# Altium PCB braslet_pcb.PcbDoc
Units mm, origin at the board's own origin, x right, y up, seen from the top; angles counter-clockwise.
Board outline 38.35 x 17.27 mm, 2 copper layers (Top Layer, Bottom Layer), stack 0.991 mm thick; 38 components, 37 nets, 206 pads, 17 vias.
Unrouted connection lines stored in the file: 97.
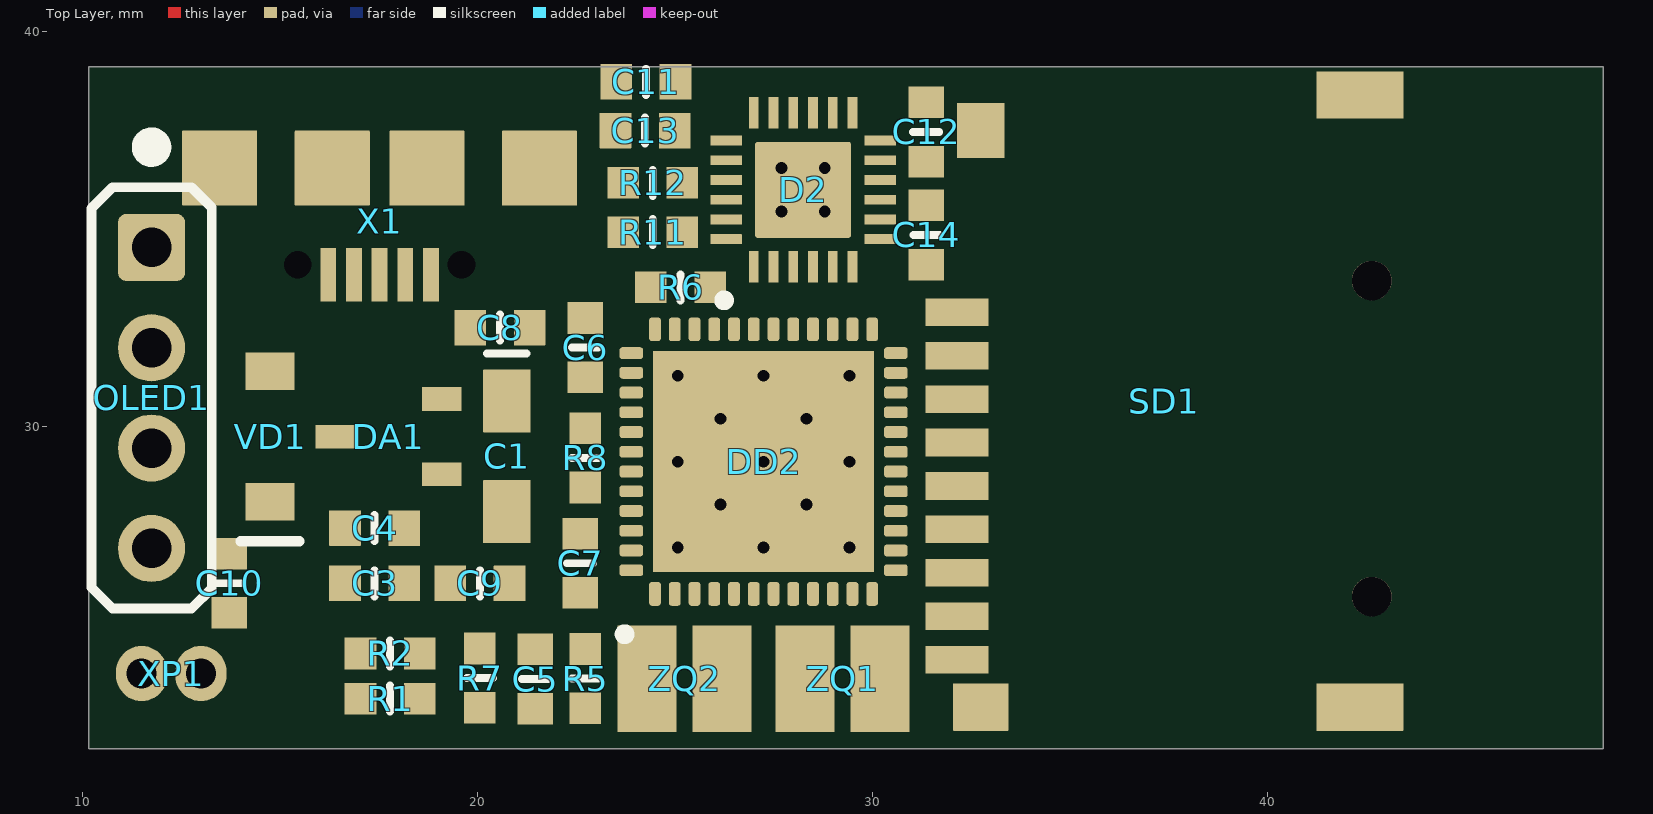
[diagram p0: Top Layer view]
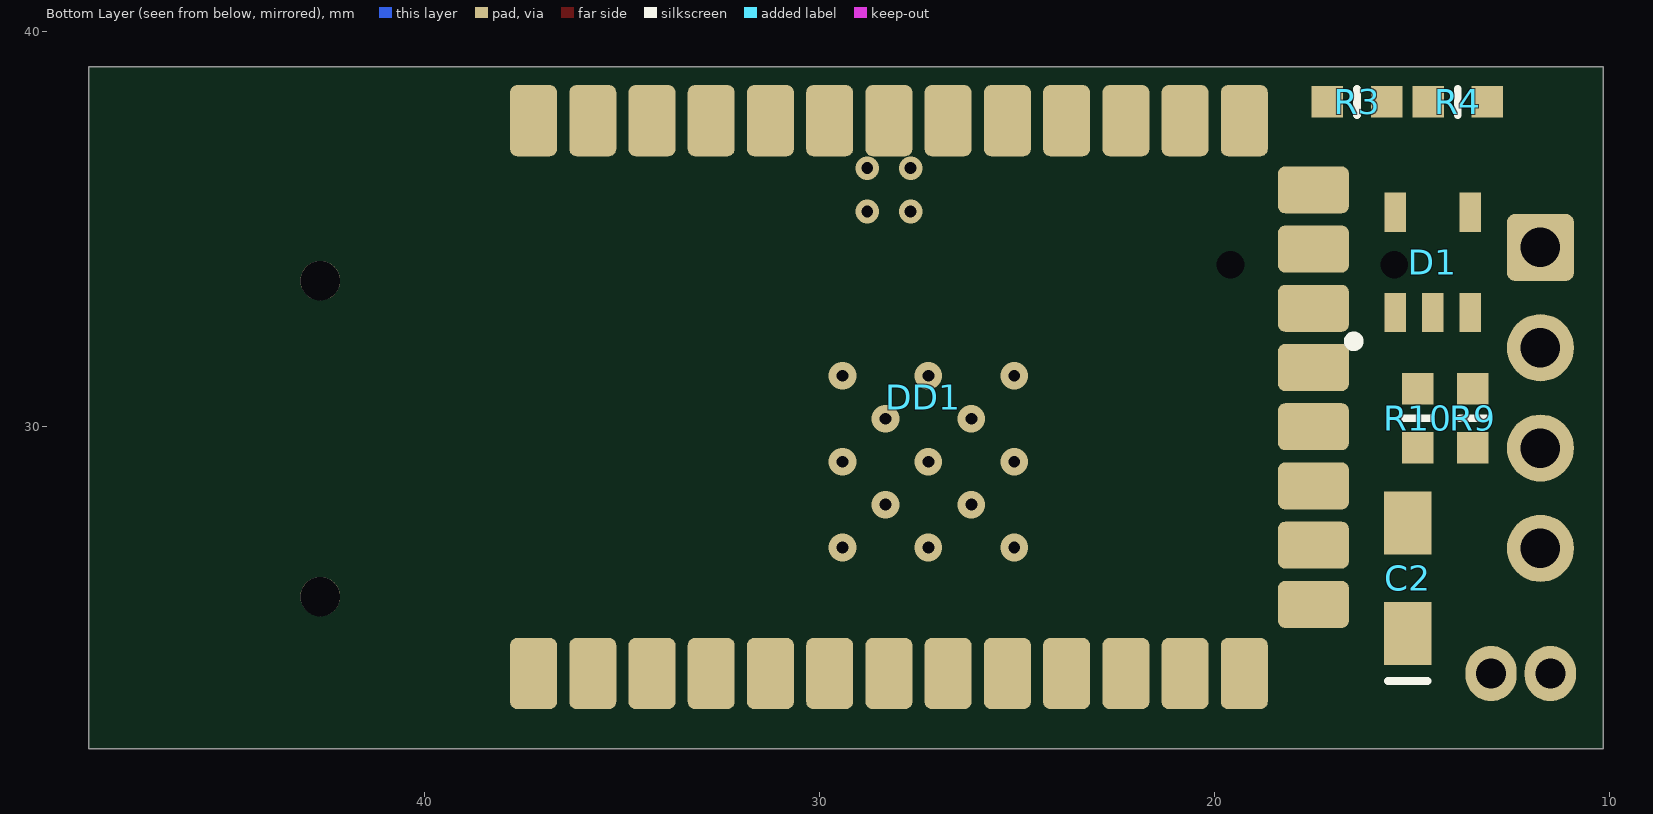
[diagram p1: Bottom Layer view, seen from below]

## Layer stack, top to bottom
Top Solder: solder mask 0.0102, Solder Resist, Dk 3.5
Top Layer: signal copper 0.0356
Dielectric 1: dielectric 0.92, FR-4, Dk 4.8
Bottom Layer: signal copper 0.0356
Bottom Solder: solder mask 0.0102, Solder Resist, Dk 3.5

## Board outline
10.16,21.844 10.16,39.116 48.514,39.116 48.514,21.844

## Design rules (kind name [scope] priority, off if disabled: settings)
Clearance [All] p1: gap=0.2 ignorepadtopadclearanceinfootprint=FALSE except(0: SMDPad-Hole THPad-Hole Via-Hole Fill-Hole Poly-Hole Region-Hole Text-Hole)
HoleSize [All] p1: absolutevalues=TRUE maxlimit=4 minlimit=0.3 maxpercent=80.000 minpercent=20.000
MinimumSolderMaskSliver [All] p1: minsoldermaskwidth=0.1
PasteMaskExpansion [All] p1: expansion=-0.05
PolygonConnect PolygonConnect_1 [IsVia] p1: connectstyle=Direct reliefconductorwidth=0.254 reliefentries=4 polygonreliefangle="90 Angle" airgapwidth=0.254
PolygonConnect [All] p2: connectstyle=Relief reliefconductorwidth=0.254 reliefentries=4 polygonreliefangle="90 Angle" airgapwidth=0.254
RoutingVias [All] p1: holewidth=0.5 width=1 viastyle="Through Hole" minholewidth=0.3 minwidth=0.7 maxholewidth=2 maxwidth=2.8
SilkToSilkClearance [All] p1: silktosilkclearance=0.2
SilkToSolderMaskClearance [IsPad] p1: minsilkscreentomaskgap=0.2 clearancetoexposedcopper=TRUE
SolderMaskExpansion [All] p1: expansion=0.1 istentingtop=FALSE
Width [All] p1: maxlimit=4 minlimit=0.2 preferedwidth=0.25 minimp=50.000000 maximp=50.000000 favimp=50.000000
25 further rules are at their usual default settings.

## Components (designator, comment, footprint, x,y, rotation, side; value= is the part's Value field where it differs from the comment)
C1 "10uF 6.3V" TANT_3.2X1.6_A 20.75,29.25 r270 top value=10uF
C2 "10uF 6.3V" TANT_3.2X1.6_A 15.113,26.162 r90 bottom value=10uF
C3 "10uF" CC0603_0.8mm 17.399,26.035 r0 top
C4 "10uF" CC0603_0.8mm 17.399,27.432 r0 top
C5 "10uF" CC0603_0.8mm 21.463,23.61 r90 top
C6 "10uF" CC0603_0.8mm 22.733,32.004 r270 top
C7 "10uF" CC0603_0.8mm 22.606,26.543 r90 top
C8 "10uF" CC0603_0.8mm 20.574,32.512 r180 top
C9 "10uF" CC0603_0.8mm 20.066,26.035 r0 top
C10 "10uF" CC0603_0.8mm 13.716,26.035 r270 top
C11 "10uF" CC0603_0.8mm 24.269,38.735 r0 top
C12 "10uF" CC0603_0.8mm 31.369,37.465 r270 top
C13 "10uF" CC0603_0.8mm 24.25,37.5 r180 top
C14 "10uF" CC0603_0.8mm 31.373,34.857 r270 top
D1 "MAX1735EUK50" SOT-23-5 14.478,34.163 r270 bottom
D2 "=Value" QFN24_4X4mm 28.25,36 r90 top
DA1 "MCP1703T-3302E/CB" SOT-23A_MCP 17.75,29.75 r0 top value=3.3V
DD1 "HC-05" HC-05 37.25,23.75 r90 bottom locked
DD2 "STM32F411CCU6" UFQFPN48_7x7_STM 27.25,29.115 r90 top
OLED1 "OLED_SSD1306" oled_128x32 11.75,34.54 r0 top locked
R1 "* ±1%" R0603 17.792,23.114 r0 top
R2 "* ±1%" R0603 17.792,24.257 r0 top
R3 "* ±1%" R0603 16.395,38.227 r180 bottom
R4 "* ±1%" R0603 13.843,38.227 r180 bottom
R5 "* ±1%" R0603 22.733,23.622 r90 top
R6 "* ±1%" R0603 25.146,33.528 r180 top
R7 "* ±1%" R0603 20.066,23.634 r270 top
R8 "* ±1%" R0603 22.733,29.21 r90 top
R9 "* ±1%" R0603 13.462,30.214 r270 bottom
R10 "* ±1%" R0603 14.859,30.214 r270 bottom
R11 "* ±1%" R0603 24.444,34.926 r180 top
R12 "* ±1%" R0603 24.444,36.176 r180 top
SD1 "sd_card" sd_conn 32.15,32.9 r270 top
VD1 "MBR0530T3G.1G" SOD-123 14.75,29.75 r90 top value=500mA
X1 "" "MICRO-USB-B (629105136821)" 17.526,36.449 r180 top
XP1 "Accumulator" Conn_01x02 11.5,23.75 r0 top
ZQ1 "" NX3225GD 29.25,23.615 r180 top
ZQ2 "" NX3225GD 25.25,23.615 r0 top

## Footprints (in the part's own frame and the unit in brackets; to place one, negate y for a bottom-side part, rotate by r counter-clockwise, add the part's x,y. Pads: shape width x height; smd on the part's side, far side on the other; paste and mask are expansions set on the pad)
CC0603_0.8mm [mm] "Yageo/ Radiused inverted home plate (RIHP) paste"
  rrect2% 0.8x0.9 smd paste-2: 1(-0.75,0) 2(0.75,0)
  Top Layer pour cut-out: -0.375,0.65 -0.375,-0.65 0.375,-0.65 0.375,0.65
  silkscreen extent 0,-0.33 0,0.33, body extent -0.8,-0.4 0.8,0.4, height 0.78
Conn_01x02 [mm]
  oval 1.3x1.4 hole 0.762: 1(0,0) 2(1.5,0)
HC-05 [mm]
  rrect30% 1.8x1.19 smd: 1(0,0) 2(0,-1.5) 3(0,-3) 4(0,-4.5) 5(0,-6) 6(0,-7.5) 7(0,-9) 8(0,-10.5) 9(0,-12) 10(0,-13.5) 11(0,-15) 12(0,-16.5) 13(0,-18) 22(14,-18) 23(14,-16.5) 24(14,-15) 25(14,-13.5) 26(14,-12) 27(14,-10.5) 28(14,-9) 29(14,-7.5) 30(14,-6) 31(14,-4.5) 32(14,-3) 33(14,-1.5) 34(14,0)
  rrect30% 1.19x1.8 smd: 14(1.75,-19.75) 15(3.25,-19.75) 16(4.75,-19.75) 17(6.25,-19.75) 18(7.75,-19.75) 19(9.25,-19.75) 20(10.75,-19.75) 21(12.25,-19.75)
  body extent -0.02,-19.75 14,8.26, height 2.35
"MICRO-USB-B (629105136821)" [mm]
  rrect2% 0.4x1.35 smd mask+0.05: 1(-1.3,2.6) 2(-0.65,2.6) 3(0,2.6) 4(0.65,2.6) 5(1.3,2.6)
  round 0 hole 0.7 unplated mask+0.05: 10(-2.075,2.35) 10(2.075,2.35)
  rrect2% 1.9x1.9 smd paste-25: Shield(-4.05,-0.1) Shield(-1.2,-0.1) Shield(1.2,-0.1) Shield(4.05,-0.1)
  body extent -4,-2.85 4,3.05, height 2.71
NX3225GD [mm]
  rrect2% 1.5x2.7 smd paste-0.05 mask+0.1: 1(-0.95,0) 2(0.95,0)
  body extent -1.6,-1.25 1.6,1.25, height 0.75
oled_128x32 [mm]
  rrect25% 1.7x1.7 hole 1: 1(0,0)
  round 1.7 hole 1: 2(0,-2.54) 3(0,-5.08) 4(0,-7.62)
  silkscreen extent -1.52,-9.14 1.52,2.79, body extent -1.3,-9.8 36.7,2.2, height 5.3
QFN24_4X4mm [mm] "QFN, 24-Leads, Body 4,00x4,00mm, Pitch 0,50mm, Thermal Pad 2,43x2,43mm, IPC High Density"
  rrect5% 0.8x0.25 smd mask+0.05: 1(-1.95,1.25) 2(-1.95,0.75) 3(-1.95,0.25) 4(-1.95,-0.25) 5(-1.95,-0.75) 6(-1.95,-1.25) 13(1.95,-1.25) 14(1.95,-0.75) 15(1.95,-0.25) 16(1.95,0.25) 17(1.95,0.75) 18(1.95,1.25)
  rrect5% 0.25x0.8 smd mask+0.05: 7(-1.25,-1.95) 8(-0.75,-1.95) 9(-0.25,-1.95) 10(0.25,-1.95) 11(0.75,-1.95) 12(1.25,-1.95) 19(1.25,1.95) 20(0.75,1.95) 21(0.25,1.95) 22(-0.25,1.95) 23(-0.75,1.95) 24(-1.25,1.95)
  rrect5% 2.43x2.43 smd paste-25 mask+0.05: EPAD(0,0)
  silkscreen extent -2.92,1.88 -2.68,2.12, body extent -2,-2 2,2, height 1
R0603 [mm]
  rect 0.8x0.8 smd paste-2: 1(-0.75,0) 2(0.75,0)
  Top Layer pour cut-out: -0.5,0.6 -0.5,-0.6 0.5,-0.6 0.5,0.6
  Top Layer pour cut-out: -0.5,0.6 0.5,0.6 0.5,-0.6 -0.5,-0.6
  silkscreen extent 0,-0.33 0,0.33, body extent -0.8,-0.4 0.8,0.4, height 0.37
sd_conn [mm]
  rrect2% 0.7x1.6 smd paste-2: 1(0,0) 2(1.1,0) 3(2.2,0) 4(3.3,0) 5(4.4,0) 6(5.5,0) 7(6.6,0) 8(7.7,0) 9(8.8,0)
  rrect2% 1.2x2.2 smd paste-2: 6(-5.5,10.2) 6(10,10.2)
  rrect2% 1.4x1.2 smd paste-2: 6(-4.6,0.6)
  rrect2% 1.2x1.4 smd paste-2: 6(10,0.6)
  round 1 hole 1: 16(-0.8,10.5) 16(7.2,10.5)
  body extent -5.83,-0.4 10.27,17.5, height 1.9
SOD-123 [mm]
  rrect2% 0.95x1.25 smd: 1(-1.65,0) 2(1.65,0)
  silkscreen extent -2.65,-0.75 -2.65,0.75, body extent -1.87,-0.8 1.88,0.8, height 1.03
SOT-23-5 [mm]
  rrect2% 1x0.55 smd: 1(1.27,-0.95) 2(1.27,0) 3(1.27,0.95) 4(-1.27,0.95) 5(-1.27,-0.95)
  silkscreen extent 1.88,-2.13 2.12,-1.88, body extent -1.5,-1.5 1.5,1.5, height 1.45
SOT-23A_MCP [mm] "Посадочное место под SOT-23A. Рекомендации MicroChip"
  rrect2% 1x0.6 smd: 1(1.35,-0.95) 2(1.35,0.95) 3(-1.35,0)
  body extent -1.5,-1.52 1.5,1.52, height 1.32
TANT_3.2X1.6_A [mm]
  rrect2% 1.6x1.2 smd: 1(1.4,0) 2(-1.4,0)
  silkscreen extent -2.6,-0.5 -2.6,0.5, body extent -1.6,-0.8 1.6,0.8, height 1.6
UFQFPN48_7x7_STM [mm] "UFQFPN32 - 32-pin, 5x5 mm, 0.5 mm pitch ultra thin fine pitch quad flat  package outline"
  rrect50% 0.6x0.3 smd paste-0.04 mask+0.05: 1(-3.35,2.75) 2(-3.35,2.25) 3(-3.35,1.75) 4(-3.35,1.25) 5(-3.35,0.75) 6(-3.35,0.25) 7(-3.35,-0.25) 8(-3.35,-0.75) 9(-3.35,-1.25) 10(-3.35,-1.75) 11(-3.35,-2.25) 12(-3.35,-2.75) 25(3.35,-2.75) 26(3.35,-2.25) 27(3.35,-1.75) 28(3.35,-1.25) 29(3.35,-0.75) 30(3.35,-0.25) 31(3.35,0.25) 32(3.35,0.75) 33(3.35,1.25) 34(3.35,1.75) 35(3.35,2.25) 36(3.35,2.75)
  rrect50% 0.3x0.6 smd paste-0.04 mask+0.05: 13(-2.75,-3.35) 14(-2.25,-3.35) 15(-1.75,-3.35) 16(-1.25,-3.35) 17(-0.75,-3.35) 18(-0.25,-3.35) 19(0.25,-3.35) 20(0.75,-3.35) 21(1.25,-3.35) 22(1.75,-3.35) 23(2.25,-3.35) 24(2.75,-3.35) 37(2.75,3.35) 38(2.25,3.35) 39(1.75,3.35) 40(1.25,3.35) 41(0.75,3.35) 42(0.25,3.35) 43(-0.25,3.35) 44(-0.75,3.35) 45(-1.25,3.35) 46(-1.75,3.35) 47(-2.25,3.35) 48(-2.75,3.35)
  rect 5.6x5.6 smd paste-10 mask+0.05: EPAD(0,0)
  silkscreen extent -4.49,3.39 -4.25,3.64, body extent -3.56,-3.56 3.56,3.56, height 0.61

## Part data
C1 C2: library part 3216-10uF-10%-6,3V, "Конденсатор SMD CC 3216-10uF-10%-6,3V (Case A)  Vishay (AVX)", Tolerance=±10%, Voltage=6.3V, ComponentLink1Description=Manufacturer, ComponentLink2Description=Datasheet, ComponentLink2URL=\\192.168.11.60\BolidLibrary\Altium\Database\Datasheets\354380256.pdf, ComponentLink3Description="Datasheet 2", ComponentLink3URL=\\192.168.11.60\BolidLibrary\Altium\Database\Datasheets\1135595732.pdf, ComponentLink4Description="Datasheet 3", ComponentVersion=0, Creator="Турнаев С.С.", Developer_ID=220960157, DeveloperMnemocod=CTS_3216_10uF_10%_6.3V, Name=3216-10uF-10%-6,3V, Part Number=3216-10uF-10%-6,3V, PatternVersion=0, Type=CC3216
C3 C4 C5 C6 C7 C8 C9 C10 C11 C12 C13 C14: library part C0603_X5R_10uF_20%_6.3V, "Конденсатор SMD CC 0603-X5R-10uF-20%-6,3V CL10A106MQ8NNNC SAMSUNG", Tolerance=20%, Voltage=6.3V, ComponentLink1Description=Manufacturer, ComponentLink2Description=Datasheet, ComponentLink2URL=\\192.168.11.60\BolidLibrary\Altium\Database\Datasheets\817977306.pdf, ComponentLink3Description="Datasheet 2", ComponentLink4Description="Datasheet 3", ComponentVersion=0, Developer_ID=590958101, DeveloperMnemocod=C0603_X5R_10uF_20%_6.3V, Name=C0603_X5R_10uF_20%_6.3V, Part Number=C0603_X5R_10uF_20%_6.3V, PatternVersion=1, Type=X5R
D2: library part ADXL327, Link1=https://www.chipdip.ru/product/mp1410es, Name=ADXL327, Type=Accelerometr
DD1: "Bluetooth module", Name=HC-05, Type=Module
DD2: "ARM-based 32-bit MCU", Name=STM32F411CCU6, Type=Микроконтроллер
R1 R2 R3 R4 R5 R6 R7 R8 R9 R10 R11 R12: library part Res_0603, Tolerance=±1%, Name=R0603, Type="Резистор SMD"
VD1: "Диод Шоттки SMD MBR0530T3G.1G", Manufacturer=Fairchild, ComponentLink1Description=Manufacturer, ComponentLink1URL=http://www.fairchildsemi.com, ComponentLink2Description=Datasheet, ComponentLink2URL=\\192.168.11.60\BolidLibrary\Altium\Database\Datasheets\592176212.pdf, ComponentLink3Description="Datasheet 2", ComponentLink3URL=\\192.168.11.60\BolidLibrary\Altium\Database\Datasheets\592176653.pdf, ComponentLink4Description="Datasheet 3", ComponentLink4URL=\\192.168.11.60\BolidLibrary\Altium\Database\Datasheets\592177087.pdf, ComponentVersion=0, Creator="Турнаев С.С.", Developer_ID=590971401, DeveloperMnemocod=MBR0530T3G.1G, DeveloperRecomend=Желательно, If=500mA, Name=MBR0530T3G.1G, Part Number=MBR0530T3G.1G, PatternVersion=0, Type=Schottky, Vr=30V
X1: library part USB_5pin, Circuit_1=Vbus, Circuit_2=DATA-, Circuit_3=DATA+, Circuit_4=GND, Circuit_5=ID
XP1: library part Conn_01x02, Link1=https://www.chipdip.ru/product/b4b-zr, Name=B4B-ZR, Type=Разъём
ZQ1 ZQ2: library part "NX3225GD-8MHz STD", "Резонатор кварцевый SMD NX3225GD-8MHz STD-CRA-3", TempRange="-40.. +150", ComponentHeight=1mm, ComponentLink1Description=Manufacturer, ComponentLink2Description=Datasheet, ComponentLink2URL=\\192.168.11.60\BolidLibrary\Altium\Database\Datasheets\1263733697.pdf, ComponentLink3Description="Datasheet 2", ComponentLink4Description="Datasheet 3", ComponentVersion=0, Creator="Назаретский С.А.", Developer_ID=1088713184, DeveloperMnemocod="NX3225GD-8MHz STD", Name="NX3225GD-8MHz STD", Part Number="NX3225GD-8MHz STD", PatternVersion=0, Type="Quartz SMD"
D1: ComponentLink1Description="New link", ComponentLink1URL=https://www.chipdip.ru/product/max1735euk50-t, Name=MAX1735EUK50, Type=LDO
DA1: Link1=https://www.chipdip.ru/product/mcp1703t-3302e-cb-3, Name=MCP1703T-3302E/CB, Type=LDO

## Via types
v1: diameter 0.7, hole 0.3, Top Layer to Bottom Layer, 13 vias
v2: diameter 0.6, hole 0.3, Top Layer to Bottom Layer, 4 vias

## Nets (pads, with @x,y where several pads share a name; then routed paths per layer and width w, separated by ;. In a path a pad name is that pad's centre, name@x,y a point inside that pad or via, vN(x,y) a via of type N, cw(c..) or ccw(c..) an arc to the next point about the centre after c; other vN are vias at no path point)
+3.3B: C1.2 C3.1 C7.1 C8.1 C9.1 C10.1 C11.1 C14.2 D2.8 D2.13 DA1.2 DD2.1 DD2.9 DD2.24 DD2.36 DD2.48 OLED1.3 R5.2 R6.2 R9.2 R10.2 R11.2 R12.2 SD1.4
+3.6B: C2.2 C4.1 D1.5 DD1.12 R4.2
BLE_KEY: DD1.34
BLE_RST: DD1.11
BLE_RXD: DD1.2 DD2.38
BLE_STE: DD1.32
BLE_TXD: DD1.1 DD2.39
CLK: DD2.28 SD1.5
CMD: DD2.16 SD1.3
D+: DD2.33 R2.1 R6.1
D-: DD2.32 R1.1
DAT0: DD2.40 SD1.7
DAT1: DD2.29 SD1.8
DAT2: DD2.30 SD1.1
DAT3: DD2.41 SD1.2
GND: C1.1 C2.1 C3.2 C4.2 C5.2 C6.2 C7.2 C8.2 C9.2 C10.2 C11.2 C12.2 C13.2 C14.1 D1.1 D2.9 D2.11 D2.18 DA1.1 DD1.13 DD1.21 DD1.22 DD2.8 DD2.23 DD2.35 DD2.47 DD2.EPAD OLED1.4 R3.1 R7.2 R8.1 SD1.6 X1.5 X1.Shield XP1.2
  other v1: 25.075,26.94 27.25,26.94 29.425,26.94 26.162,28.027 28.337,28.027 25.075,29.115 27.25,29.115 29.425,29.115 26.162,30.203 28.337,30.202 25.075,31.29 27.25,31.29 29.425,31.29
NetC5_1: C5.1 DD2.7 R5.1
NetC6_1: C6.1 DD2.22
NetC12_1: C12.1 D2.10
NetC13_1: C13.1 D2.20
NetD1_2: D1.2 D1.3 DA1.3 VD1.1 XP1.1
NetD1_4: D1.4 R3.2 R4.1
NetDD2_3: DD2.3 ZQ2.1
NetDD2_4: DD2.4 ZQ2.2
NetDD2_5: DD2.5 ZQ1.2
NetDD2_6: DD2.6 ZQ1.1
NetDD2_20: DD2.20 R8.2
NetDD2_44: DD2.44 R7.1
NetR1_2: R1.2 X1.2
NetR2_2: R2.2 X1.3
NetVD1_2: VD1.2 X1.1
SCL_I2C1: D2.23 DD2.42 R12.1
SCL_I2C2: DD2.21 OLED1.2 R9.1
SDA_I2C1: D2.24 DD2.43 R11.1
SDA_I2C2: DD2.46 OLED1.1 R10.1
SWCLK: DD2.37
SWDIO: DD2.34
pads on no net: D2.1 D2.2 D2.3 D2.4 D2.5 D2.6 D2.7 D2.12 D2.14 D2.15 D2.16 D2.17 D2.19 D2.21 D2.22 D2.EPAD DD1.3 DD1.4 DD1.5 DD1.6 DD1.7 DD1.8 DD1.9 DD1.10 DD1.14 DD1.15 DD1.16 DD1.17 DD1.18 DD1.19 DD1.20 DD1.23 DD1.24 DD1.25 DD1.26 DD1.27 DD1.28 DD1.29 DD1.30 DD1.31 DD1.33 DD2.2 DD2.10 DD2.11 DD2.12 DD2.13 DD2.14 DD2.15 DD2.17 DD2.18 DD2.19 DD2.25 DD2.26 DD2.27 DD2.31 DD2.45 SD1.9 SD1.16 X1.4 X1.10
copper on no net:
  other v2: 27.7,35.45 28.8,35.45 27.7,36.55 28.8,36.55

## Polygon pours and split planes (outlines as drawn)
GND on Bottom Layer "NONET_L02_P000" (hatched 90Degree grid 0.508 track 0.203, remove dead copper, shelved, pour order 0): 1,74 58,74 58,1 1,1

## Silkscreen, mask and mechanical layers (free items; w line width, h text height)
M1 Board:
  the board outline again, w0.15